# KiCad board Ethernet controller W5500 board_panel.kicad_pcb (continued)
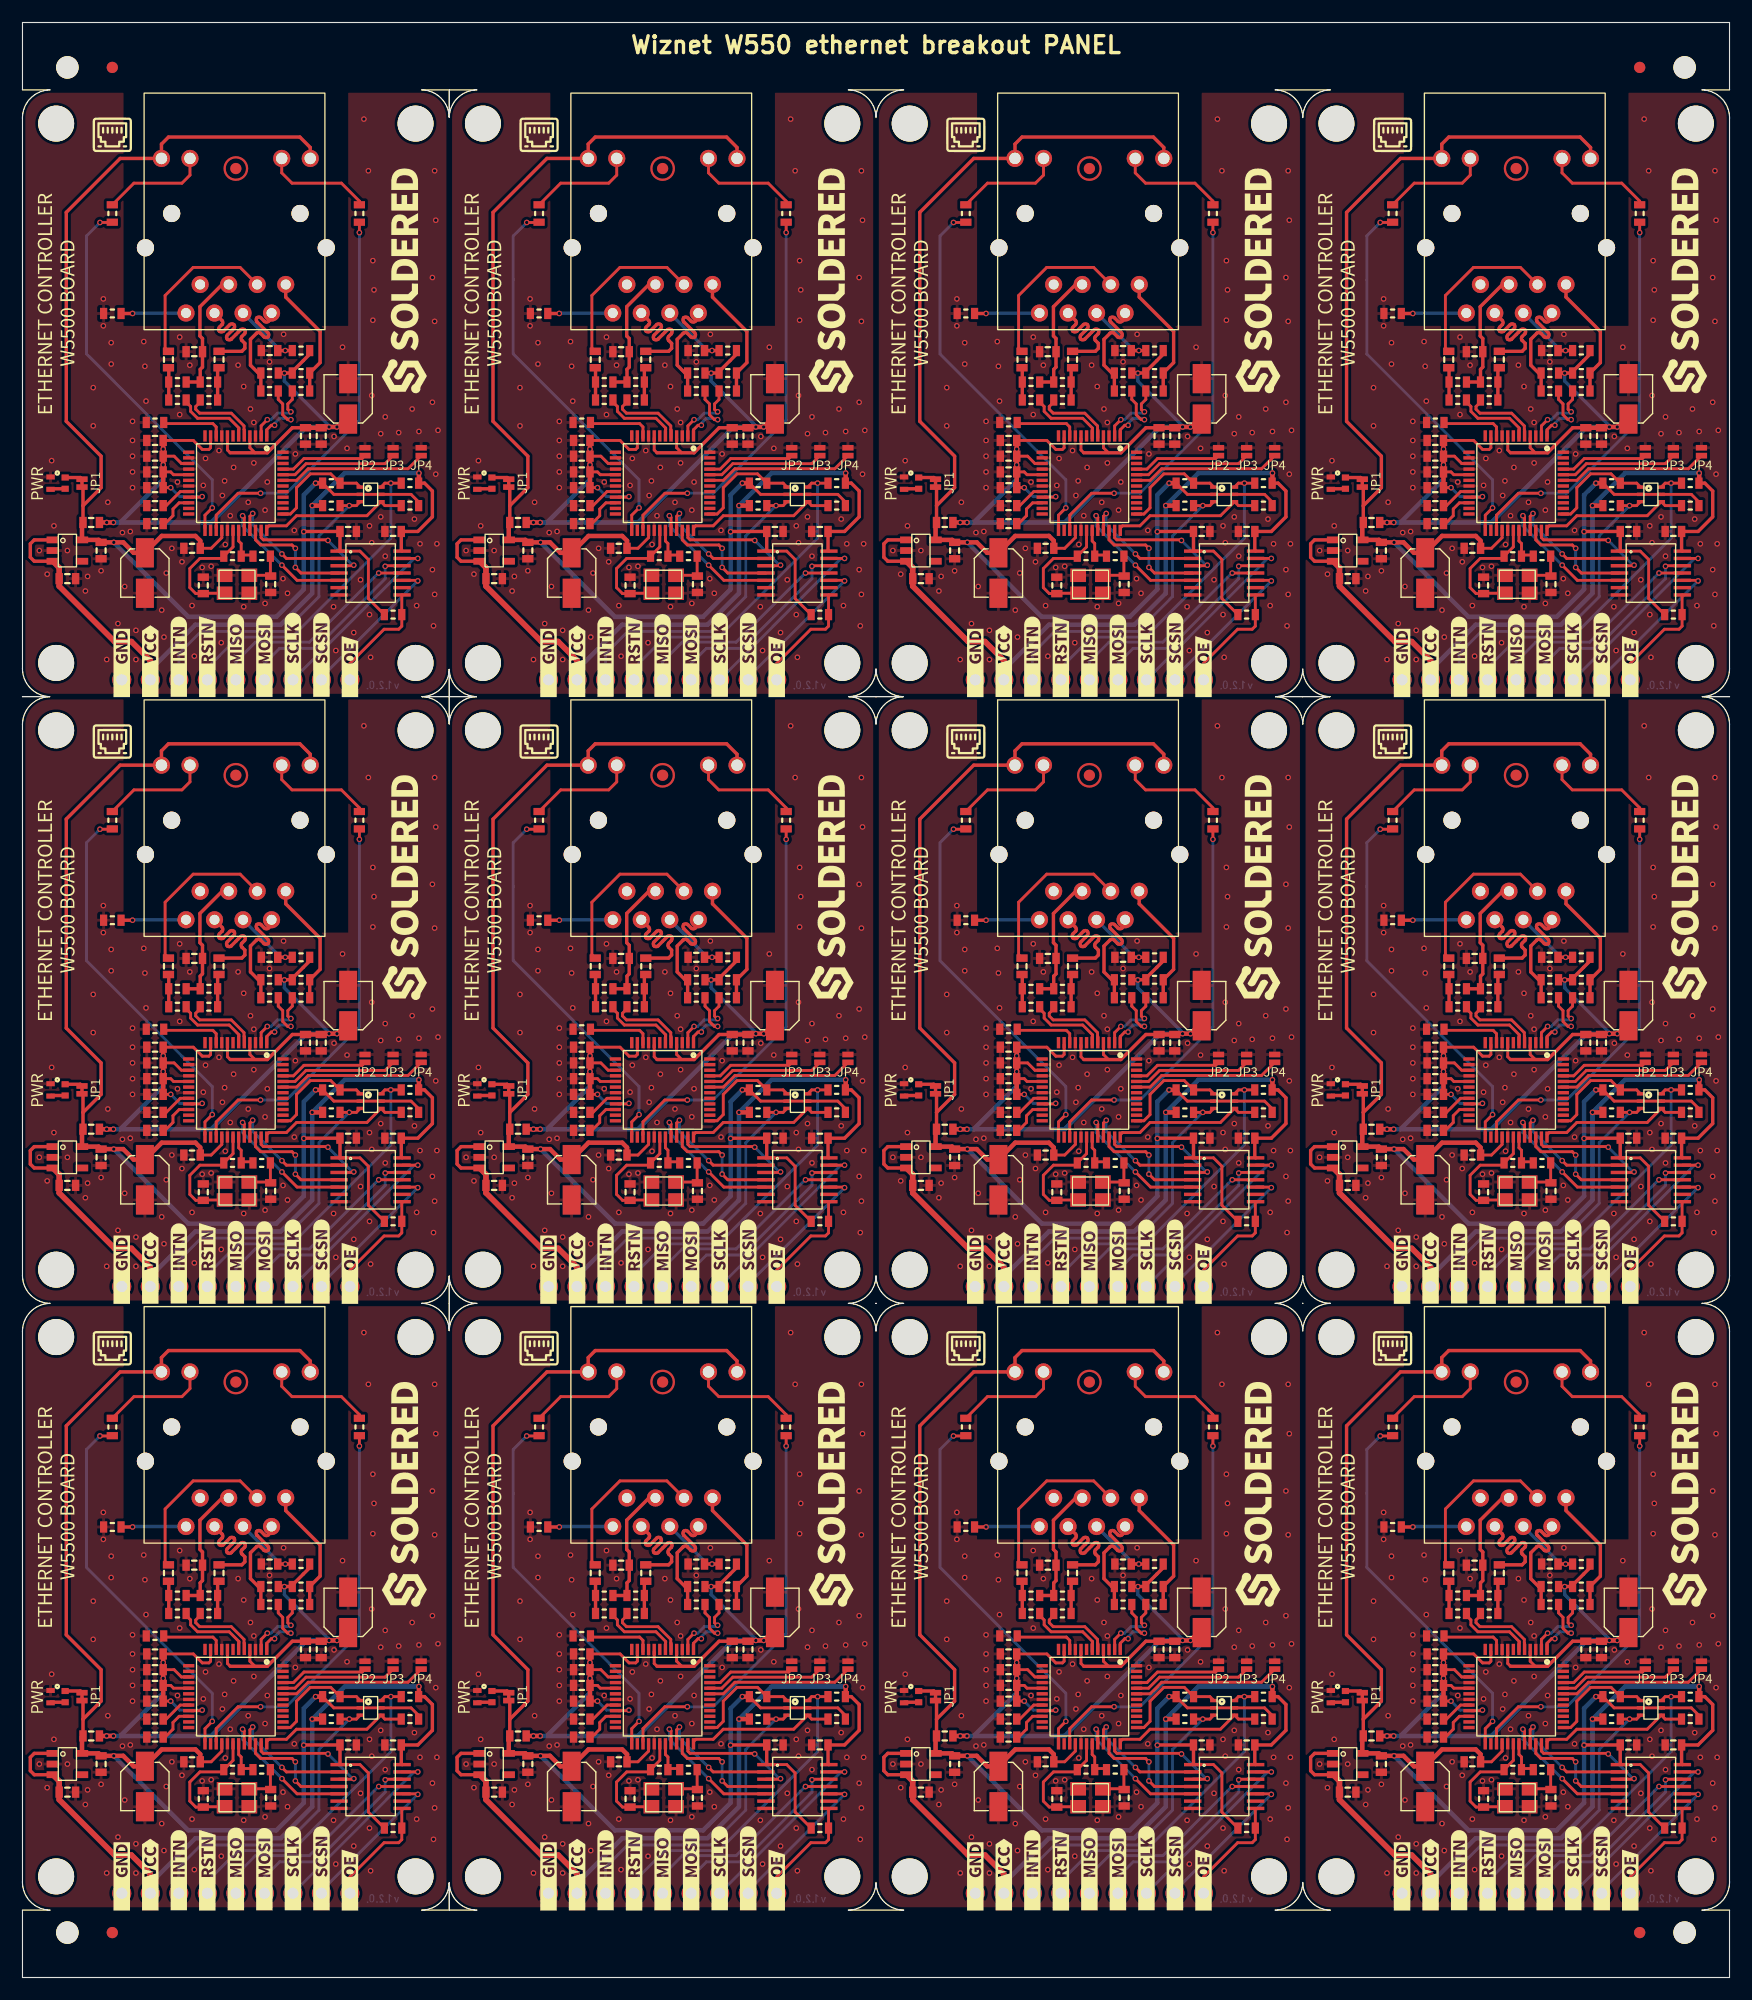
[diagram p0: board, top side]
## Nets (continued)
Board_8-unconnected-(U1-Pad18): U1#6.18
Board_8-unconnected-(U1-Pad23): U1#6.23
Board_8-unconnected-(U1-Pad24): U1#6.24
Board_8-unconnected-(U1-Pad26): U1#6.26
Board_8-unconnected-(U1-Pad38): U1#6.38
Board_8-unconnected-(U1-Pad39): U1#6.39
Board_8-unconnected-(U1-Pad40): U1#6.40
Board_8-unconnected-(U1-Pad41): U1#6.41
Board_8-unconnected-(U1-Pad42): U1#6.42
Board_8-unconnected-(U1-Pad46): U1#6.46
Board_8-unconnected-(U1-Pad47): U1#6.47
Board_8-unconnected-(U2-Pad4): U2#4.4
Board_8-unconnected-(U3-Pad6): U3#10.6
Board_8-unconnected-(U3-Pad9): U3#10.9
Board_8-VCC: C18#9.2 C21#2.1 K2#12.2 R22#12.1 R27#8.2 U2#4.1 U2#4.3 U3#10.14
Board_9-3V3: C14#9.2 C15#3.1 C19#2.2 C20#2.2 FB1.1 JP1#10.1 K1#4.9 K1#4.12 R17#12.1 R21#11.2 R28#10.1 U1#8.28 U2#2.5 U3.1 U5.2 U5.5
Board_9-3V3_A: C1#6.1 C2#12.2 C3#3.2 C4#7.2 C5#10.2 C6#3.2 C8#12.2 FB1.2 R6#12.2 R8#8.2 R10#11.2 U1#8.4 U1#8.8 U1#8.11 U1#8.15 U1#8.17 U1#8.21
Board_9-/RXN: C9#8.1 K1#4.6
Board_9-/RXP: C10#5.1 K1#4.3
Board_9-/TXN: K1#4.2 R1#11.2 R6#12.1
Board_9-/TXP: K1#4.1 R2#2.2 R8#8.1
Board_9-ACTLED: R12#2.2 U1#8.27
Board_9-CGND: K1#4.8 R16#11.2
Board_9-GND: C1#6.2 C2#12.1 C3#3.1 C4#7.1 C5#10.1 C6#3.1 C7#12.1 C8#12.1 C11#10.1 C12#9.1 C13#3.1 C14#9.1 C15#3.2 C16#4.1 C17#10.1 C18#11.1 C19#2.1 C20#2.1 C21#6.2 D1.2 JP2#7.1 JP3#8.1 JP4#4.1 K2.1 R5#3.1 R16#11.1 U1#8.3 U1#8.9 U1#8.14 U1#8.16 U1#8.19 U1#8.29 U1#8.48 U2#2.2 U3.7 X1#10.2 X1#10.4
Board_9-INTn_H: K2.3 R22#2.2 U5.3
Board_9-INTn_L: R28#10.2 U1#8.36 U5.4
Board_9-LINKLED: R11#4.2 U1#8.25
Board_9-MISO_H: K2.5 U3.11
Board_9-MISO_L: U1#8.34 U3.4
Board_9-MOSI_H: K2.6 U3.12
Board_9-MOSI_L: U1#8.35 U3.3
Board_9-Net-(C7-Pad2): C7#12.2 K1#4.5 R7#7.1 R9#9.1
Board_9-Net-(C9-Pad2): C9#8.2 R3#8.2 R9#9.2
Board_9-Net-(C10-Pad2): C10#5.2 R4#6.2 R7#7.2
Board_9-Net-(C11-Pad2): C11#10.2 K1#4.4 R10#11.1
Board_9-Net-(C12-Pad2): C12#9.2 U1#8.20
Board_9-Net-(C13-Pad2): C13#3.2 U1#8.22
Board_9-Net-(C16-Pad2): C16#4.2 R14#4.1 U1#8.30 X1#10.1
Board_9-Net-(C17-Pad2): C17#10.2 R15#11.1 X1#10.3
Board_9-Net-(D1-Pad1): D1.1 R13#12.2
Board_9-Net-(JP1-Pad2): JP1#10.2 R13#12.1
Board_9-Net-(K1-Pad10): K1#4.10 R12#2.1
Board_9-Net-(K1-Pad11): K1#4.11 R11#4.1
Board_9-Net-(R5-Pad2): R5#3.2 U1#8.10
Board_9-Net-(R14-Pad2): R14#4.2 R15#11.2 U1#8.31
Board_9-OE: K2.9 R17#12.2 U3.8
Board_9-PMODE0: JP2#7.2 U1#8.45
Board_9-PMODE1: JP3#8.2 U1#8.44
Board_9-PMODE2: JP4#4.2 U1#8.43
Board_9-RSTn_H: K2.4 R27#3.1 U5.6
Board_9-RSTn_L: R21#11.1 U1#8.37 U5.1
Board_9-RX+: R4#6.1 U1#8.6
Board_9-RX-: R3#8.1 U1#8.5
Board_9-SCLK_H: K2.7 U3.13
Board_9-SCLK_L: U1#8.33 U3.2
Board_9-SCSn_H: K2.8 U3.10
Board_9-SCSn_L: U1#8.32 U3.5
Board_9-TX+: R2#2.1 U1#8.2
Board_9-TX-: R1#11.1 U1#8.1
Board_9-unconnected-(K1-Pad7): K1#4.7
Board_9-unconnected-(U1-Pad7): U1#8.7
Board_9-unconnected-(U1-Pad12): U1#8.12
Board_9-unconnected-(U1-Pad13): U1#8.13
Board_9-unconnected-(U1-Pad18): U1#8.18
Board_9-unconnected-(U1-Pad23): U1#8.23
Board_9-unconnected-(U1-Pad24): U1#8.24
Board_9-unconnected-(U1-Pad26): U1#8.26
Board_9-unconnected-(U1-Pad38): U1#8.38
Board_9-unconnected-(U1-Pad39): U1#8.39
Board_9-unconnected-(U1-Pad40): U1#8.40
Board_9-unconnected-(U1-Pad41): U1#8.41
Board_9-unconnected-(U1-Pad42): U1#8.42
Board_9-unconnected-(U1-Pad46): U1#8.46
Board_9-unconnected-(U1-Pad47): U1#8.47
Board_9-unconnected-(U2-Pad4): U2#2.4
Board_9-unconnected-(U3-Pad6): U3.6
Board_9-unconnected-(U3-Pad9): U3.9
Board_9-VCC: C18#11.2 C21#6.1 K2.2 R22#2.1 R27#3.2 U2#2.1 U2#2.3 U3.14
Board_10-3V3: C14#12.2 C15#12.1 C19#10.2 C20#6.2 FB1#7.1 JP1#12.1 K1#8.9 K1#8.12 R17#3.1 R21#7.2 R28#2.1 U1#9.28 U2#8.5 U3#2.1 U5#6.2 U5#6.5
Board_10-3V3_A: C1#7.1 C2#3.2 C3#9.2 C4#6.2 C5#2.2 C6#9.2 C8#10.2 FB1#7.2 R6#10.2 R8#10.2 R10#7.2 U1#9.4 U1#9.8 U1#9.11 U1#9.15 U1#9.17 U1#9.21
Board_10-/RXN: C9#9.1 K1#8.6
Board_10-/RXP: C10#8.1 K1#8.3
Board_10-/TXN: K1#8.2 R1.2 R6#10.1
Board_10-/TXP: K1#8.1 R2#3.2 R8#10.1
Board_10-ACTLED: R12#6.2 U1#9.27
Board_10-CGND: K1#8.8 R16#6.2
Board_10-GND: C1#7.2 C2#3.1 C3#9.1 C4#6.1 C5#2.1 C6#9.1 C7#9.1 C8#10.1 C11#8.1 C12#4.1 C13#7.1 C14#12.1 C15#12.2 C16.1 C17#6.1 C18#5.1 C19#10.1 C20#6.1 C21#12.2 D1#10.2 JP2#6.1 JP3.1 JP4#7.1 K2#11.1 R5#6.1 R16#6.1 U1#9.3 U1#9.9 U1#9.14 U1#9.16 U1#9.19 U1#9.29 U1#9.48 U2#8.2 U3#2.7 X1#12.2 X1#12.4
Board_10-INTn_H: K2#11.3 R22#5.2 U5#6.3
Board_10-INTn_L: R28#2.2 U1#9.36 U5#6.4
Board_10-LINKLED: R11#9.2 U1#9.25
Board_10-MISO_H: K2#11.5 U3#2.11
Board_10-MISO_L: U1#9.34 U3#2.4
Board_10-MOSI_H: K2#11.6 U3#2.12
Board_10-MOSI_L: U1#9.35 U3#2.3
Board_10-Net-(C7-Pad2): C7#9.2 K1#8.5 R7#6.1 R9#6.1
Board_10-Net-(C9-Pad2): C9#9.2 R3#7.2 R9#6.2
Board_10-Net-(C10-Pad2): C10#8.2 R4#8.2 R7#6.2
Board_10-Net-(C11-Pad2): C11#8.2 K1#8.4 R10#7.1
Board_10-Net-(C12-Pad2): C12#4.2 U1#9.20
Board_10-Net-(C13-Pad2): C13#7.2 U1#9.22
Board_10-Net-(C16-Pad2): C16.2 R14#9.1 U1#9.30 X1#12.1
Board_10-Net-(C17-Pad2): C17#6.2 R15#7.1 X1#12.3
Board_10-Net-(D1-Pad1): D1#10.1 R13.2
Board_10-Net-(JP1-Pad2): JP1#12.2 R13.1
Board_10-Net-(K1-Pad10): K1#8.10 R12#6.1
Board_10-Net-(K1-Pad11): K1#8.11 R11#9.1
Board_10-Net-(R5-Pad2): R5#6.2 U1#9.10
Board_10-Net-(R14-Pad2): R14#9.2 R15#7.2 U1#9.31
Board_10-OE: K2#11.9 R17#3.2 U3#2.8
Board_10-PMODE0: JP2#6.2 U1#9.45
Board_10-PMODE1: JP3.2 U1#9.44
Board_10-PMODE2: JP4#7.2 U1#9.43
Board_10-RSTn_H: K2#11.4 R27#6.1 U5#6.6
Board_10-RSTn_L: R21#7.1 U1#9.37 U5#6.1
Board_10-RX+: R4#8.1 U1#9.6
Board_10-RX-: R3#7.1 U1#9.5
Board_10-SCLK_H: K2#11.7 U3#2.13
Board_10-SCLK_L: U1#9.33 U3#2.2
Board_10-SCSn_H: K2#11.8 U3#2.10
Board_10-SCSn_L: U1#9.32 U3#2.5
Board_10-TX+: R2#3.1 U1#9.2
Board_10-TX-: R1.1 U1#9.1
Board_10-unconnected-(K1-Pad7): K1#8.7
Board_10-unconnected-(U1-Pad7): U1#9.7
Board_10-unconnected-(U1-Pad12): U1#9.12
Board_10-unconnected-(U1-Pad13): U1#9.13
Board_10-unconnected-(U1-Pad18): U1#9.18
Board_10-unconnected-(U1-Pad23): U1#9.23
Board_10-unconnected-(U1-Pad24): U1#9.24
Board_10-unconnected-(U1-Pad26): U1#9.26
Board_10-unconnected-(U1-Pad38): U1#9.38
Board_10-unconnected-(U1-Pad39): U1#9.39
Board_10-unconnected-(U1-Pad40): U1#9.40
Board_10-unconnected-(U1-Pad41): U1#9.41
Board_10-unconnected-(U1-Pad42): U1#9.42
Board_10-unconnected-(U1-Pad46): U1#9.46
Board_10-unconnected-(U1-Pad47): U1#9.47
Board_10-unconnected-(U2-Pad4): U2#8.4
Board_10-unconnected-(U3-Pad6): U3#2.6
Board_10-unconnected-(U3-Pad9): U3#2.9
Board_10-VCC: C18#5.2 C21#12.1 K2#11.2 R22#5.1 R27#6.2 U2#8.1 U2#8.3 U3#2.14
Board_11-3V3: C14#5.2 C15#7.1 C19#7.2 C20#4.2 FB1#4.1 JP1#11.1 K1#9.9 K1#9.12 R17#7.1 R21#8.2 R28#4.1 U1#2.28 U2#3.5 U3#6.1 U5#4.2 U5#4.5
Board_11-3V3_A: C1.1 C2#6.2 C3.2 C4#9.2 C5#6.2 C6#8.2 C8#8.2 FB1#4.2 R6#4.2 R8#11.2 R10#3.2 U1#2.4 U1#2.8 U1#2.11 U1#2.15 U1#2.17 U1#2.21
Board_11-/RXN: C9#3.1 K1#9.6
Board_11-/RXP: C10#6.1 K1#9.3
Board_11-/TXN: K1#9.2 R1#4.2 R6#4.1
Board_11-/TXP: K1#9.1 R2#7.2 R8#11.1
Board_11-ACTLED: R12#3.2 U1#2.27
Board_11-CGND: K1#9.8 R16#12.2
Board_11-GND: C1.2 C2#6.1 C3.1 C4#9.1 C5#6.1 C6#8.1 C7.1 C8#8.1 C11#5.1 C12#11.1 C13#8.1 C14#5.1 C15#7.2 C16#11.1 C17#7.1 C18#6.1 C19#7.1 C20#4.1 C21#10.2 D1#6.2 JP2#4.1 JP3#6.1 JP4#12.1 K2#3.1 R5.1 R16#12.1 U1#2.3 U1#2.9 U1#2.14 U1#2.16 U1#2.19 U1#2.29 U1#2.48 U2#3.2 U3#6.7 X1#11.2 X1#11.4
Board_11-INTn_H: K2#3.3 R22#9.2 U5#4.3
Board_11-INTn_L: R28#4.2 U1#2.36 U5#4.4
Board_11-LINKLED: R11#12.2 U1#2.25
Board_11-MISO_H: K2#3.5 U3#6.11
Board_11-MISO_L: U1#2.34 U3#6.4
Board_11-MOSI_H: K2#3.6 U3#6.12
Board_11-MOSI_L: U1#2.35 U3#6.3
Board_11-Net-(C7-Pad2): C7.2 K1#9.5 R7.1 R9#11.1
Board_11-Net-(C9-Pad2): C9#3.2 R3#6.2 R9#11.2
Board_11-Net-(C10-Pad2): C10#6.2 R4#2.2 R7.2
Board_11-Net-(C11-Pad2): C11#5.2 K1#9.4 R10#3.1
Board_11-Net-(C12-Pad2): C12#11.2 U1#2.20
Board_11-Net-(C13-Pad2): C13#8.2 U1#2.22
Board_11-Net-(C16-Pad2): C16#11.2 R14#5.1 U1#2.30 X1#11.1
Board_11-Net-(C17-Pad2): C17#7.2 R15#2.1 X1#11.3
Board_11-Net-(D1-Pad1): D1#6.1 R13#8.2
Board_11-Net-(JP1-Pad2): JP1#11.2 R13#8.1
Board_11-Net-(K1-Pad10): K1#9.10 R12#3.1
Board_11-Net-(K1-Pad11): K1#9.11 R11#12.1
Board_11-Net-(R5-Pad2): R5.2 U1#2.10
Board_11-Net-(R14-Pad2): R14#5.2 R15#2.2 U1#2.31
Board_11-OE: K2#3.9 R17#7.2 U3#6.8
Board_11-PMODE0: JP2#4.2 U1#2.45
Board_11-PMODE1: JP3#6.2 U1#2.44
Board_11-PMODE2: JP4#12.2 U1#2.43
Board_11-RSTn_H: K2#3.4 R27#12.1 U5#4.6
Board_11-RSTn_L: R21#8.1 U1#2.37 U5#4.1
Board_11-RX+: R4#2.1 U1#2.6
Board_11-RX-: R3#6.1 U1#2.5
Board_11-SCLK_H: K2#3.7 U3#6.13
Board_11-SCLK_L: U1#2.33 U3#6.2
Board_11-SCSn_H: K2#3.8 U3#6.10
Board_11-SCSn_L: U1#2.32 U3#6.5
Board_11-TX+: R2#7.1 U1#2.2
Board_11-TX-: R1#4.1 U1#2.1
Board_11-unconnected-(K1-Pad7): K1#9.7
Board_11-unconnected-(U1-Pad7): U1#2.7
Board_11-unconnected-(U1-Pad12): U1#2.12
Board_11-unconnected-(U1-Pad13): U1#2.13
Board_11-unconnected-(U1-Pad18): U1#2.18
Board_11-unconnected-(U1-Pad23): U1#2.23
Board_11-unconnected-(U1-Pad24): U1#2.24
Board_11-unconnected-(U1-Pad26): U1#2.26
Board_11-unconnected-(U1-Pad38): U1#2.38
Board_11-unconnected-(U1-Pad39): U1#2.39
Board_11-unconnected-(U1-Pad40): U1#2.40
Board_11-unconnected-(U1-Pad41): U1#2.41
Board_11-unconnected-(U1-Pad42): U1#2.42
Board_11-unconnected-(U1-Pad46): U1#2.46
Board_11-unconnected-(U1-Pad47): U1#2.47
Board_11-unconnected-(U2-Pad4): U2#3.4
Board_11-unconnected-(U3-Pad6): U3#6.6
Board_11-unconnected-(U3-Pad9): U3#6.9
Board_11-VCC: C18#6.2 C21#10.1 K2#3.2 R22#9.1 R27#12.2 U2#3.1 U2#3.3 U3#6.14

Pads without a net: FD1 1; FD1#2 1; FD1#3 1; FD1#4 1; FD1#5 1; FD1#6 1; FD1#7 1; FD1#8 1; FD1#9 1; FD1#10 1; FD1#11 1; FD1#12 1; K1 MP MP0 MP1; K1#2 MP MP0 MP1; K1#3 MP MP0 MP1; K1#4 MP MP0 MP1; K1#5 MP MP0 MP1; K1#6 MP MP0 MP1; K1#7 MP MP0 MP1; K1#8 MP MP0 MP1; K1#9 MP MP0 MP1; K1#10 MP MP0 MP1; K1#11 MP MP0 MP1; K1#12 MP MP0 MP1

## Via types
v1: diameter 0.5, hole 0.3, Top to Bottom, 1728 vias

## Routing (per net, layer and track width the routed paths; a pad name or vN(x,y) marks a point on that pad's centre or on a via; arc(x,y) is an arc through that point)
Board_0-3V3: length 129.2
  Top w0.254: U3#7.1 30.05,126.95 30.8,126.2 30.8,122.73 R17#9.1 ; 17.75,129 17.75,128.15 16.8,127.2 C14#6.2 ; R28.1 35.28,131.33 34.6,132 U5#3.5 U5#3.2 27.73,132 R21#12.2
  Top w0.3: JP1#6.1 5.39,132.56 5.39,130.99 ; 5.39,130.99 FB1#3.1 ; 5.39,130.99 7,132.6 7,135.4 3.9,138.5 3.9,157.1 8.7,161.9 K1#5.12 12.38,163.18 13,163.8 24.7,163.8 25.63,162.88 K1#5.9 ; U3#7.1 28.27,127.02 C20#5.2 25.07,128.7 v1(25.05,128.68)
  Top w0.4: C14#6.2 15.83,127.87 15.4,128.3 12.4,128.3 C15#4.1 9.9,126.8 8.97,127.73 C19#11.2 6.78,127.95 U2.5 5.3,129.41 FB1#3.1 ; v1(26.1,133) R21#12.2
  Bottom w0.4: v1(26.1,133) 25.05,131.95 v1(25.05,128.68) 25.05,123.55 22.6,121.1 14.76,121.1 v1(8.13,127.73)
Board_0-3V3_A: length 77.8
  Top w0.254: 15,133.75 13.45,133.75 13.2,134 C6#5.2 ; v1(13.2,132.6) C8#3.2 ; 18.5,135.7 18.25,135.95 18.25,137 ; 20.25,137 20.25,136.15 20.7,135.7 ; C4#8.2 15.21,136.8 16.01,136 16.6,136 16.75,136.15 16.75,137 ; v1(16,131.8) 15.95,131.75 15,131.75 ; C5#12.2 13.5,135.4 14.15,134.75 15,134.75
  Top w0.3: C2#11.2 24.03,137.93 21.8,135.7 18.5,135.7 ; R10#9.2 25.58,144.48 24.03,142.93 R8#12.2 R6.2
  Top w0.4: FB1#3.2 v1(7.5,129.5) v1(8.1,129.5) ; 28.7,138.7 v1(28,138) v1(27.3,138) 26.67,138 C3#5.2 C2#11.2 ; C8#3.2 v1(12.53,134.63) v1(12.53,136.03) C4#8.2
  Bottom w0.254: v1(13.2,132.6) 14,131.8 v1(16,131.8)
  Bottom w0.3: v1(27.3,138) 27.3,138.1 23.32,142.08 v1(23.32,142.79)
  Bottom w0.4: 8.7,129.5 16.8,129.5 25.3,138 v1(28,138) ; 8.7,129.5 12.53,133.33 v1(12.53,134.63) v1(12.53,136.03) ; 8.7,129.5 v1(8.1,129.5) v1(7.5,129.5)
Board_0-/RXN: length 11.6
  Top w0.3: C9#6.1 19.53,144.73 19.8,145 19.8,145.44 19.54,145.7 arc(19.47,145.88) 19.54,146.06 19.78,146.29 arc(19.85,146.47) 19.78,146.65 arc(19.6,146.72) 19.42,146.65 18.59,145.82 arc(18.42,145.74) 18.24,145.82 arc(18.17,145.99) 18.24,146.17 18.83,146.76 arc(18.9,146.93) 18.83,147.1 18.82,147.11 arc(18.65,147.18) 18.47,147.11 17.89,146.52 arc(17.71,146.45) 17.53,146.52 arc(17.46,146.7) 17.53,146.88 17.77,147.12 arc(17.84,147.29) 17.77,147.47 K1#5.6
Board_0-/RXP: length 15
  Top w0.254: K1#5.3 19.38,152.2 15.2,152.2 12.7,149.7 12.7,145.03 C10#12.1
Board_0-/TXN: length 11.4
  Top w0.3: K1#5.2 22.18,147.68 21.9,147.4 arc(21.72,147.33) 21.55,147.4 21.23,147.71 arc(21.06,147.79) 20.88,147.71 arc(20.81,147.54) 20.88,147.36 21.86,146.38 arc(21.94,146.2) 21.86,146.02 arc(21.69,145.95) 21.51,146.02 21.19,146.34 arc(21.02,146.41) 20.84,146.34 20.3,145.8 20.3,143.5 21,142.8 R6.1 R1#3.2
Board_0-/TXP: length 11.1
  Top w0.3: K1#5.1 23.44,149.56 26.5,146.5 26.5,143.73 R8#12.1 R2#10.2
Board_0-ACTLED: length 35
  Top w0.254: v1(21.2,132.1) 19.2,132.1 17.25,130.15 17.25,129 ; v1(30,155.3) R12.2
  Bottom w0.254: v1(30,155.3) 30,138.6 23.5,132.1 v1(21.2,132.1)
Board_0-CGND: length 5.8
  Top w0.3: v1(9.8,148.1) R16.2
  Bottom w0.3: v1(9.8,148.1) 9.84,148.14 K1#5.8
Board_0-GND:
  vias: v1(1.5,127) v1(2.2,124.9) v1(2.6,135) v1(2.8,129.2) v1(4,127) v1(5.6,123.4) v1(5.8,124.7) v1(6.3,141.5) v1(6.3,138.1) v1(7,125.2) v1(7.2,149.4) v1(7.2,147) v1(7.5,117.3) v1(7.6,131.3) v1(7.9,145.5) v1(7.9,143.6) v1(8.5,120.5) v1(8.9,128.6) v1(9.1,123.8) v1(9.6,128.7) v1(9.8,138.5) v1(9.8,136.8) v1(9.8,135.4) v1(9.8,134) v1(9.8,132.6) v1(10.1,119.9) v1(10.1,117.3) v1(10.8,145.6) v1(10.9,143.4) v1(11,140.3) v1(12.4,121.7) v1(12.6,119.3) v1(12.8,125) v1(13.3,127.2) v1(13.8,133.1) v1(14,146) v1(14,139.1) v1(14.2,126) v1(14.9,143.5) v1(15.1,122.1) v1(15.3,117.6) v1(16,125.5) v1(16.1,132.8) v1(16.3,135.2) v1(16.8,125.6) v1(17.5,135.9) v1(17.7,118.8) v1(17.8,131.9) v1(18,133.2) v1(18.06,127.54) v1(18.5,130.1) v1(18.8,134.4) v1(19.2,143.5) v1(19.7,141.6) v1(19.7,122) v1(20.1,131.3) v1(20.3,139.6) v1(20.6,138.4) v1(20.6,134.8) v1(21.6,130.6) v1(21.6,122.3) v1(21.8,133.1) v1(22,143.8) v1(23.25,146.25) v1(23.2,124.5) v1(23.6,123.2) v1(24.2,128.8) v1(24.3,135.6) v1(27.74,137.16) v1(27.7,122) v1(27.9,118.1) v1(28.5,145.1) v1(28.9,136.1) v1(29.5,119.7) v1(30.1,124.4) v1(30.4,165.4) v1(30.8,160.8) v1(30.9,129.2) v1(30.9,121.3) v1(31,117.5) v1(31.1,140.8) v1(31.1,127.7) v1(31.2,152.8) v1(31.2,147.5) v1(31.3,150.2) v1(31.9,137.4) v1(31.9,130) v1(32.3,138.9) v1(32.3,126.5) v1(33.5,137.5) v1(34.7,139.6) v1(34.9,129.8) v1(35.1,122.1) v1(35.3,137.6) v1(35.4,127.6) v1(36.5,151.3) v1(36.5,140.2) v1(36.5,125.3) v1(36.6,120.3) v1(36.7,160.8) v1(36.7,147.4) v1(36.7,123.1) v1(36.8,156.4) v1(36.8,133.8) v1(36.9,127.6) v1(37,137.7)
Board_0-INTn_H: length 28.1
  Top w0.254: R22#6.2 v1(29.1,131) 29.73,131 U5#3.3
  Bottom w0.254: K2#2.3 13.92,117.82 15.9,119.8 23.3,119.8 26.4,122.9 26.4,128.3 v1(29.1,131)
Board_0-INTn_L: length 13.1
  Top w0.254: 21.75,129 21.95,129.2 23.5,129.2 24.4,130.1 30.67,130.1 U5#3.4 32.27,131 R28.2
Board_0-LINKLED: length 33.7
  Top w0.254: 16.25,129 16.25,130.15 v1(16.9,130.8) ; R11.2 7.98,156.2 v1(6.9,156.2)
  Bottom w0.254: v1(6.9,156.2) 5.7,155 5.7,144.5 16.9,133.3 v1(16.9,130.8)
Board_0-MISO_H: length 19.7
  Top w0.254: v1(31.72,125) U3#7.11
  Bottom w0.254: K2#2.5 19,117.1 20.75,118.85 25.55,118.85 31.7,125 v1(31.72,125)
Board_0-MISO_L: length 10.7
  Top w0.254: 20.75,129 20.75,127.95 21.2,127.5 24,127.5 v1(24.3,127.2) ; U3#7.4 24.8,125 v1(24.3,125.5)
  Bottom w0.254: v1(24.3,125.5) v1(24.3,127.2)
Board_0-MOSI_H: length 18
  Top w0.254: U3#7.12 32.35,125.65 v1(32.3,125.6)
  Bottom w0.254: v1(32.3,125.6) 32.3,124.5 26.1,118.3 22.9,118.3 21.54,116.94 K2#2.6
Board_0-MOSI_L: length 11.4
  Top w0.254: 21.25,129 21.25,128.15 21.45,127.95 27.15,127.95 v1(27.2,127.9) ; U3#7.3 29.45,125.65 v1(29.5,125.7)
  Bottom w0.254: v1(29.5,125.7) 29.4,125.7 v1(27.2,127.9)
Board_0-Net-(C7-Pad2): length 11.5
  Top w0.3: K1#5.5 17.78,150.68 15.8,148.7 15.8,146.1 16.03,145.87 C7#2.2 16.03,143.33 15.83,143.13 R9#5.1 R7#2.1
Board_0-Net-(C9-Pad2): length 2.9
  Top w0.3: R3.2 R9#5.2 17.38,143.15 C9#6.2
Board_0-Net-(C10-Pad2): length 2.9
  Top w0.3: R4#3.2 R7#2.2 13.03,143.25 C10#12.2
Board_0-Net-(C11-Pad2): length 6.4
  Top w0.3: R10#9.1 v1(23.4,144.8) C11#4.2
  Bottom w0.3: v1(23.4,144.8) 22.98,144.8 K1#5.4
Board_0-Net-(C12-Pad2): length 3
  Top w0.254: 15,132.25 14.05,132.25 12.8,131 C12#6.2
Board_0-Net-(C13-Pad2): length 3.4
  Top w0.254: C13.2 12.7,129.4 13.4,130.1 13.4,130.7 13.95,131.25 U1#11.22
Board_0-Net-(C16-Pad2): length 11.4
  Top w0.254: 18.75,129 18.75,127.33 17.73,126.3 15.8,126.3 14.9,125.4 14.9,123.7 15.43,123.17 C16#2.2 16.13,123.2 X1#8.1
Board_0-Net-(C17-Pad2): length 3.8
  Top w0.254: 22.08,126.6 22.08,124.76 C17#9.2 22.03,124.8 X1#8.3
Board_0-Net-(D1-Pad1): length 1.3
  Top w0.3: D1#9.1 2.55,132.5 R13#11.2
Board_0-Net-(JP1-Pad2): length 1.6
  Top w0.3: JP1#6.2 5.15,133.5 R13#11.1
Board_0-Net-(K1-Pad10): length 9.6
  Top w0.254: K1#5.10 23.09,160.62 24,159.7 28.4,159.7 30,158.1 R12.1
Board_0-Net-(K1-Pad11): length 9.5
  Top w0.254: R11.1 9.93,159.7 14.2,159.7 14.92,160.42 K1#5.11
Board_0-Net-(R5-Pad2): length 5.8
  Top w0.254: R5#4.2 12.68,138.3 16.95,138.3 17.25,138 17.25,137
Board_0-Net-(R14-Pad2): length 3.5
  Top w0.254: 19.25,129 19.25,127.85 19.48,127.63 19.48,126.6 20.53,126.6
Board_0-OE: length 10.2
  Top w0.254: K2#2.9 29.16,116.96 32.2,120 33.5,120 33.78,120.28 R17#9.2 33.78,123.03 U3#7.8
Board_0-PMODE0: length 8
  Top w0.254: 23,134.25 24.13,134.25 25.06,135.19 30.24,135.19 JP2#5.2
Board_0-PMODE1: length 10.7
  Top w0.254: JP3#4.2 32.28,134.73 25.25,134.73 24.27,133.75 23,133.75
Board_0-PMODE2: length 13.4
  Top w0.254: 23,133.25 24.41,133.25 25.44,134.28 34.33,134.28 JP4#8.2
Board_0-RSTn_H: length 29
  Top w0.254: R27#9.1 v1(32.8,133) 32.27,133 U5#3.6
  Bottom w0.254: v1(32.8,133) 32.8,128.1 24,119.3 19.2,119.3 16.46,116.56 K2#2.4
Board_0-RSTn_L: length 10.1
  Top w0.254: U5#3.1 29.73,133 R21#12.1 27.45,133.83 25.63,133.83 24.4,132.6 24.4,130.8 23.85,130.25 23,130.25
Board_0-RX+: length 7
  Top w0.254: 19.25,137 19.25,137.75 19.27,137.77 19.27,137.91 18.41,138.77 15.59,138.77 14.97,139.39 14.97,139.82 14.58,140.22 R4#3.1
Board_0-RX-: length 7
  Top w0.254: 19.75,137 19.75,137.75 19.73,137.77 19.73,138.09 18.6,139.23 15.78,139.23 15.43,139.58 15.43,139.82 15.83,140.22 R3.1
Board_0-SCLK_H: length 17
  Top w0.254: v1(35.2,126.3) U3#7.13
  Bottom w0.254: K2#2.7 34.88,126.3 v1(35.2,126.3)
Board_0-SCLK_L: length 11.3
  Top w0.254: v1(23.1,126.7) 23.5,126.3 U3#7.2 ; 20.25,129 20.25,130.05 v1(20.5,130.3)
  Bottom w0.254: v1(23.1,126.7) 20.5,129.3 v1(20.5,130.3)
Board_0-SCSn_H: length 13.8
  Top w0.254: U3#7.10 35.15,124.35 v1(35.2,124.3)
  Bottom w0.254: v1(35.2,124.3) 26.62,115.72 K2#2.8
Board_0-SCSn_L: length 12.7
  Top w0.254: 19.75,129 19.75,129.95 v1(19.6,130.1) ; v1(23.1,125.7) 24.45,124.35 U3#7.5
  Bottom w0.254: v1(19.6,130.1) 19.6,129.2 v1(23.1,125.7)
Board_0-TX+: length 6.4
  Top w0.254: 21.25,137 21.25,138.1 v1(21.8,138.65) ; R2#10.1 24.03,140.45 23.63,140.05 23.63,139.57 23.84,139.35 v1(23.9,139.35)
  Bottom w0.254: v1(21.8,138.65) 22.13,138.65 22.71,139.23 23.78,139.23 v1(23.9,139.35)
Board_0-TX-: length 6.7
  Top w0.254: v1(23.9,138.65) 23.61,138.65 23.17,139.09 23.17,140.05 22.78,140.45 R1#3.1 ; 21.75,137 21.75,137.75 22.15,138.15 v1(22.45,138.15)
  Bottom w0.254: v1(22.45,138.15) 22.45,138.33 22.9,138.77 23.78,138.77 v1(23.9,138.65)
Board_0-VCC: length 67.9
  Top w0.3: U2.3 1.05,126.05 0.7,126.4 0.7,127.6 1.05,127.95 U2.1 ; U3#7.14 33.73,127.02 C21#7.1 35.2,128.7 36.5,130 36.5,132.3 35.8,133 R27#9.2
  Top w0.4: R22#6.1 v1(25.8,131) ; v1(35.3,133.9) 35.3,133.03 R27#9.2
  Top w0.5: K2#2.2 11.38,117.22 9.7,118.9 8.2,118.9 3.27,123.83 C18#2.2 3.27,125.48 U2.3
  Bottom w0.4: v1(35.3,133.9) 28.7,133.9 v1(25.8,131) 25.77,130.96 25.8,130.93 25.8,123.2 23,120.4 15.4,120.4 11.38,116.38 K2#2.2
Board_1-3V3: length 129.2
  Top w0.254: R28#3.1 73.28,131.33 72.6,132 U5#12.5 U5#12.2 65.73,132 R21#2.2 ; U3#8.1 68.05,126.95 68.8,126.2 68.8,122.73 R17.1 ; 55.75,129 55.75,128.15 54.8,127.2 C14#11.2
  Top w0.3: v1(63.05,128.68) 63.07,128.7 C20#11.2 66.27,127.02 U3#8.1 ; JP1#7.1 43.39,132.56 43.39,130.99 ; 43.39,130.99 FB1#8.1 ; 43.39,130.99 45,132.6 45,135.4 41.9,138.5 41.9,157.1 46.7,161.9 K1#7.12 50.38,163.18 51,163.8 62.7,163.8 63.63,162.88 K1#7.9
  Top w0.4: v1(64.1,133) R21#2.2 ; FB1#8.1 43.3,129.41 U2#6.5 44.78,127.95 C19#3.2 46.97,127.73 47.9,126.8 C15#11.1 50.4,128.3 53.4,128.3 53.83,127.87 C14#11.2
  Bottom w0.4: v1(64.1,133) 63.05,131.95 v1(63.05,128.68) 63.05,123.55 60.6,121.1 52.76,121.1 v1(46.13,127.73)
Board_1-3V3_A: length 77.8
  Top w0.254: C4#11.2 53.21,136.8 54.01,136 54.6,136 54.75,136.15 54.75,137 ; 53,131.75 53.95,131.75 v1(54,131.8) ; v1(51.2,132.6) C8#9.2 ; 53,133.75 51.45,133.75 51.2,134 C6.2 ; 56.5,135.7 56.25,135.95 56.25,137 ; 58.25,137 58.25,136.15 58.7,135.7 ; 53,134.75 52.15,134.75 51.5,135.4 C5#4.2
  Top w0.3: R10#2.2 63.58,144.48 62.03,142.93 R8#4.2 R6#11.2 ; C2#8.2 62.03,137.93 59.8,135.7 56.5,135.7
  Top w0.4: 66.7,138.7 v1(66,138) v1(65.3,138) 64.67,138 C3#4.2 C2#8.2 ; C8#9.2 v1(50.53,134.63) v1(50.53,136.03) C4#11.2 ; v1(46.1,129.5) v1(45.5,129.5) FB1#8.2
  Bottom w0.254: v1(54,131.8) 52,131.8 v1(51.2,132.6)
  Bottom w0.3: v1(61.32,142.79) 61.32,142.08 65.3,138.1 v1(65.3,138)
  Bottom w0.4: v1(66,138) 63.3,138 54.8,129.5 46.7,129.5 ; 46.7,129.5 v1(46.1,129.5) v1(45.5,129.5) ; 46.7,129.5 50.53,133.33 v1(50.53,134.63) v1(50.53,136.03)
Board_1-/RXN: length 11.6
  Top w0.3: K1#7.6 55.77,147.47 arc(55.84,147.29) 55.77,147.12 55.53,146.88 arc(55.46,146.7) 55.53,146.52 arc(55.71,146.45) 55.89,146.52 56.47,147.11 arc(56.65,147.18) 56.82,147.11 56.83,147.1 arc(56.9,146.93) 56.83,146.76 56.24,146.17 arc(56.17,145.99) 56.24,145.82 arc(56.42,145.74) 56.59,145.82 57.42,146.65 arc(57.6,146.72) 57.78,146.65 arc(57.85,146.47) 57.78,146.29 57.54,146.06 arc(57.47,145.88) 57.54,145.7 57.8,145.44 57.8,145 57.53,144.73 C9#11.1
Board_1-/RXP: length 15
  Top w0.254: K1#7.3 57.38,152.2 53.2,152.2 50.7,149.7 50.7,145.03 C10.1
Board_1-/TXN: length 11.4
  Top w0.3: R1#7.2 R6#11.1 59,142.8 58.3,143.5 58.3,145.8 58.84,146.34 arc(59.02,146.41) 59.19,146.34 59.51,146.02 arc(59.69,145.95) 59.86,146.02 arc(59.94,146.2) 59.86,146.38 58.88,147.36 arc(58.81,147.54) 58.88,147.71 arc(59.06,147.79) 59.23,147.71 59.55,147.4 arc(59.72,147.33) 59.9,147.4 60.18,147.68 K1#7.2
Board_1-/TXP: length 11.1
  Top w0.3: K1#7.1 61.44,149.56 64.5,146.5 64.5,143.73 R8#4.1 R2#9.2
Board_1-ACTLED: length 35
  Top w0.254: v1(68,155.3) R12#10.2 ; v1(59.2,132.1) 57.2,132.1 55.25,130.15 55.25,129
  Bottom w0.254: v1(68,155.3) 68,138.6 61.5,132.1 v1(59.2,132.1)
Board_1-CGND: length 5.8
  Top w0.3: v1(47.8,148.1) R16#9.2
  Bottom w0.3: K1#7.8 47.84,148.14 v1(47.8,148.1)
Board_1-GND:
  vias: v1(39.5,127) v1(40.2,124.9) v1(40.6,135) v1(40.8,129.2) v1(42,127) v1(43.6,123.4) v1(43.8,124.7) v1(44.3,141.5) v1(44.3,138.1) v1(45,125.2) v1(45.2,149.4) v1(45.2,147) v1(45.5,117.3) v1(45.6,131.3) v1(45.9,145.5) v1(45.9,143.6) v1(46.5,120.5) v1(46.9,128.6) v1(47.1,123.8) v1(47.6,128.7) v1(47.8,138.5) v1(47.8,136.8) v1(47.8,135.4) v1(47.8,134) v1(47.8,132.6) v1(48.1,119.9) v1(48.1,117.3) v1(48.8,145.6) v1(48.9,143.4) v1(49,140.3) v1(50.4,121.7) v1(50.6,119.3) v1(50.8,125) v1(51.3,127.2) v1(51.8,133.1) v1(52,146) v1(52,139.1) v1(52.2,126) v1(52.9,143.5) v1(53.1,122.1) v1(53.3,117.6) v1(54,125.5) v1(54.1,132.8) v1(54.3,135.2) v1(54.8,125.6) v1(55.5,135.9) v1(55.7,118.8) v1(55.8,131.9) v1(56,133.2) v1(56.06,127.54) v1(56.5,130.1) v1(56.8,134.4) v1(57.2,143.5) v1(57.7,141.6) v1(57.7,122) v1(58.1,131.3) v1(58.3,139.6) v1(58.6,138.4) v1(58.6,134.8) v1(59.6,130.6) v1(59.6,122.3) v1(59.8,133.1) v1(60,143.8) v1(61.2,124.5) v1(61.25,146.25) v1(61.6,123.2) v1(62.2,128.8) v1(62.3,135.6) v1(65.74,137.16) v1(65.7,122) v1(65.9,118.1) v1(66.5,145.1) v1(66.9,136.1) v1(67.5,119.7) v1(68.1,124.4) v1(68.4,165.4) v1(68.8,160.8) v1(68.9,129.2) v1(68.9,121.3) v1(69,117.5) v1(69.1,140.8) v1(69.1,127.7) v1(69.2,152.8) v1(69.2,147.5) v1(69.3,150.2) v1(69.9,137.4) v1(69.9,130) v1(70.3,138.9) v1(70.3,126.5) v1(71.5,137.5) v1(72.7,139.6) v1(72.9,129.8) v1(73.1,122.1) v1(73.3,137.6) v1(73.4,127.6) v1(74.5,151.3) v1(74.5,140.2) v1(74.5,125.3) v1(74.6,120.3) v1(74.7,160.8) v1(74.7,147.4) v1(74.7,123.1) v1(74.8,156.4) v1(74.8,133.8) v1(74.9,127.6) v1(75,137.7)
Board_1-INTn_H: length 28.1
  Top w0.254: R22.2 v1(67.1,131) 67.73,131 U5#12.3
  Bottom w0.254: v1(67.1,131) 64.4,128.3 64.4,122.9 61.3,119.8 53.9,119.8 51.92,117.82 K2#10.3
Board_1-INTn_L: length 13.1
  Top w0.254: R28#3.2 70.27,131 U5#12.4 68.67,130.1 62.4,130.1 61.5,129.2 59.95,129.2 59.75,129
Board_1-LINKLED: length 33.7
  Top w0.254: v1(54.9,130.8) 54.25,130.15 54.25,129 ; v1(44.9,156.2) 45.98,156.2 R11#2.2
  Bottom w0.254: v1(54.9,130.8) 54.9,133.3 43.7,144.5 43.7,155 v1(44.9,156.2)
Board_1-MISO_H: length 19.7
  Top w0.254: v1(69.72,125) U3#8.11
  Bottom w0.254: v1(69.72,125) 69.7,125 63.55,118.85 58.75,118.85 57,117.1 K2#10.5
Board_1-MISO_L: length 10.7
  Top w0.254: U3#8.4 62.8,125 v1(62.3,125.5) ; 58.75,129 58.75,127.95 59.2,127.5 62,127.5 v1(62.3,127.2)
  Bottom w0.254: v1(62.3,125.5) v1(62.3,127.2)
Board_1-MOSI_H: length 18
  Top w0.254: v1(70.3,125.6) 70.35,125.65 U3#8.12
  Bottom w0.254: v1(70.3,125.6) 70.3,124.5 64.1,118.3 60.9,118.3 59.54,116.94 K2#10.6
Board_1-MOSI_L: length 11.4
  Top w0.254: 59.25,129 59.25,128.15 59.45,127.95 65.15,127.95 v1(65.2,127.9) ; v1(67.5,125.7) 67.45,125.65 U3#8.3
  Bottom w0.254: v1(67.5,125.7) 67.4,125.7 v1(65.2,127.9)
